# Altium PCB ESP_Main_ERC.PcbDoc
Units mm, origin at the board's own origin, x right, y up, seen from the top; angles counter-clockwise.
Board outline 129 x 93 mm, 2 copper layers (Top Layer, Bottom Layer); 70 components, 81 nets, 264 pads, 32 vias.
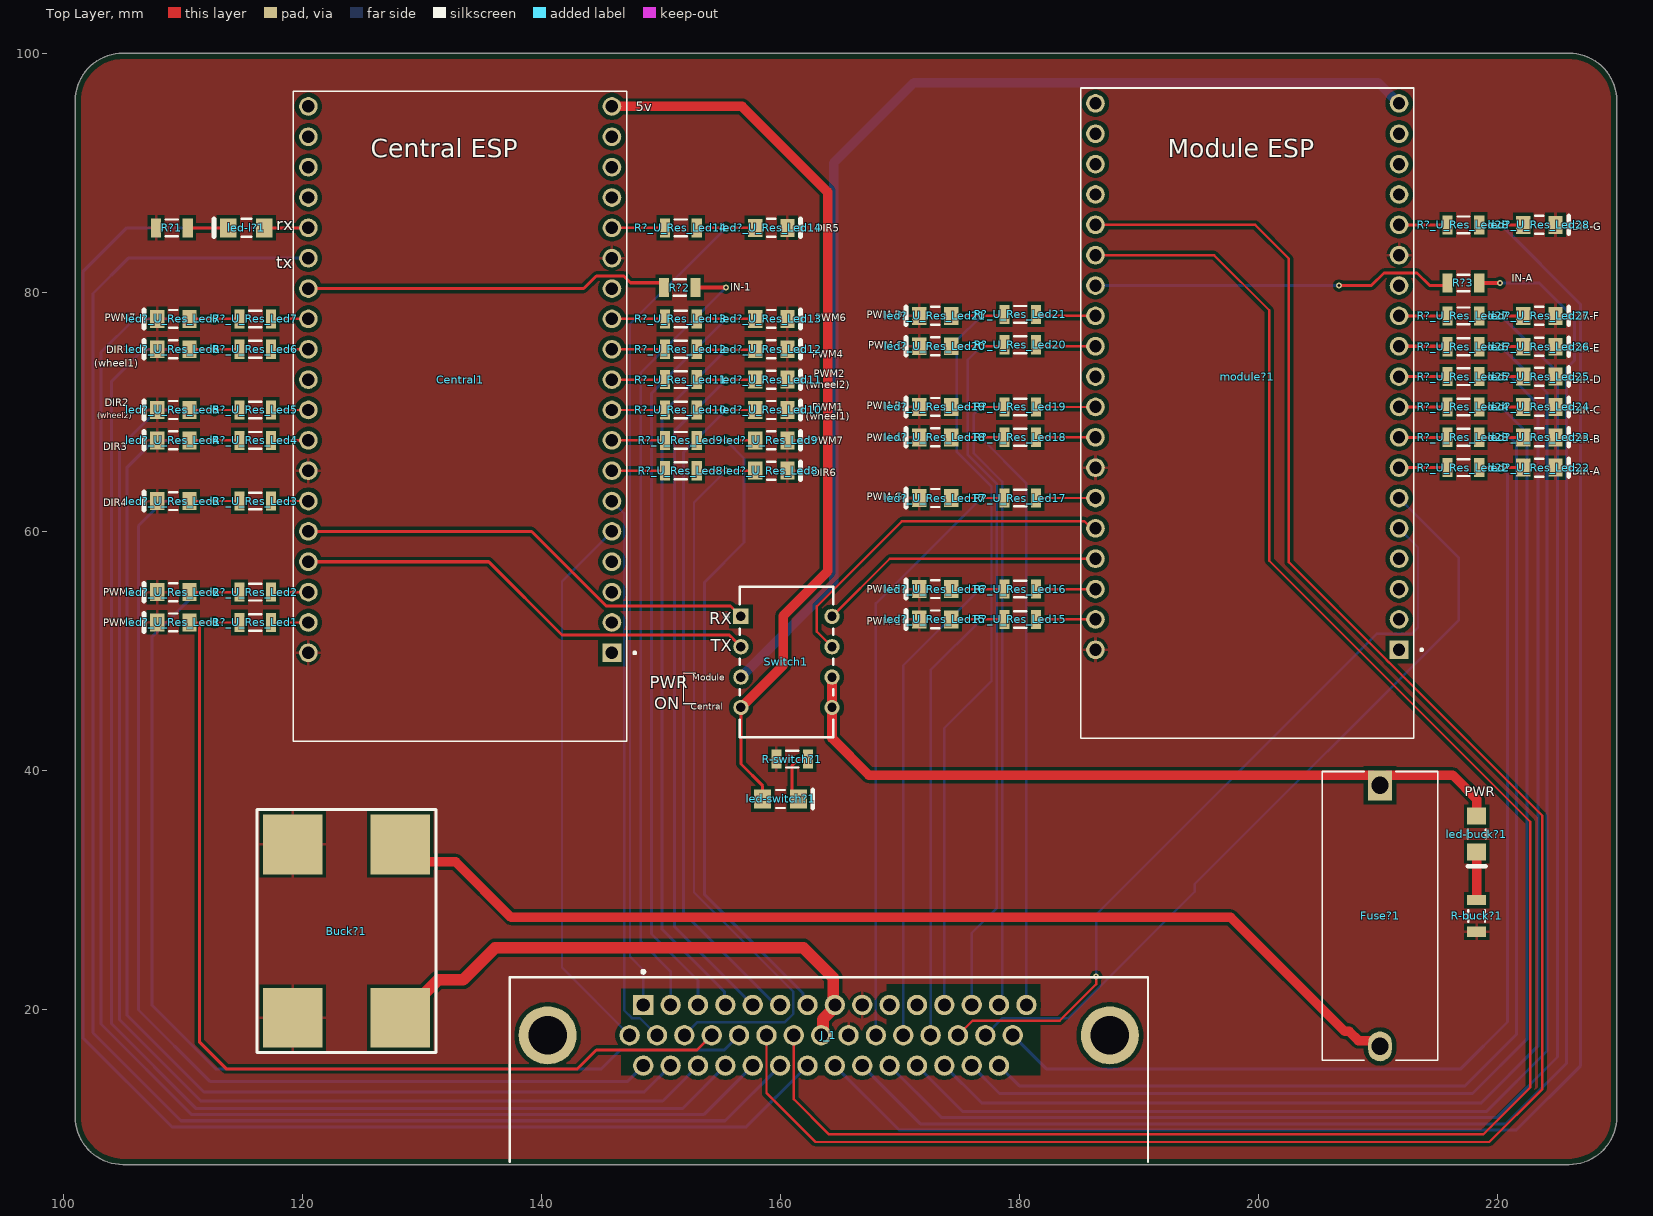
[diagram p0: Top Layer view]
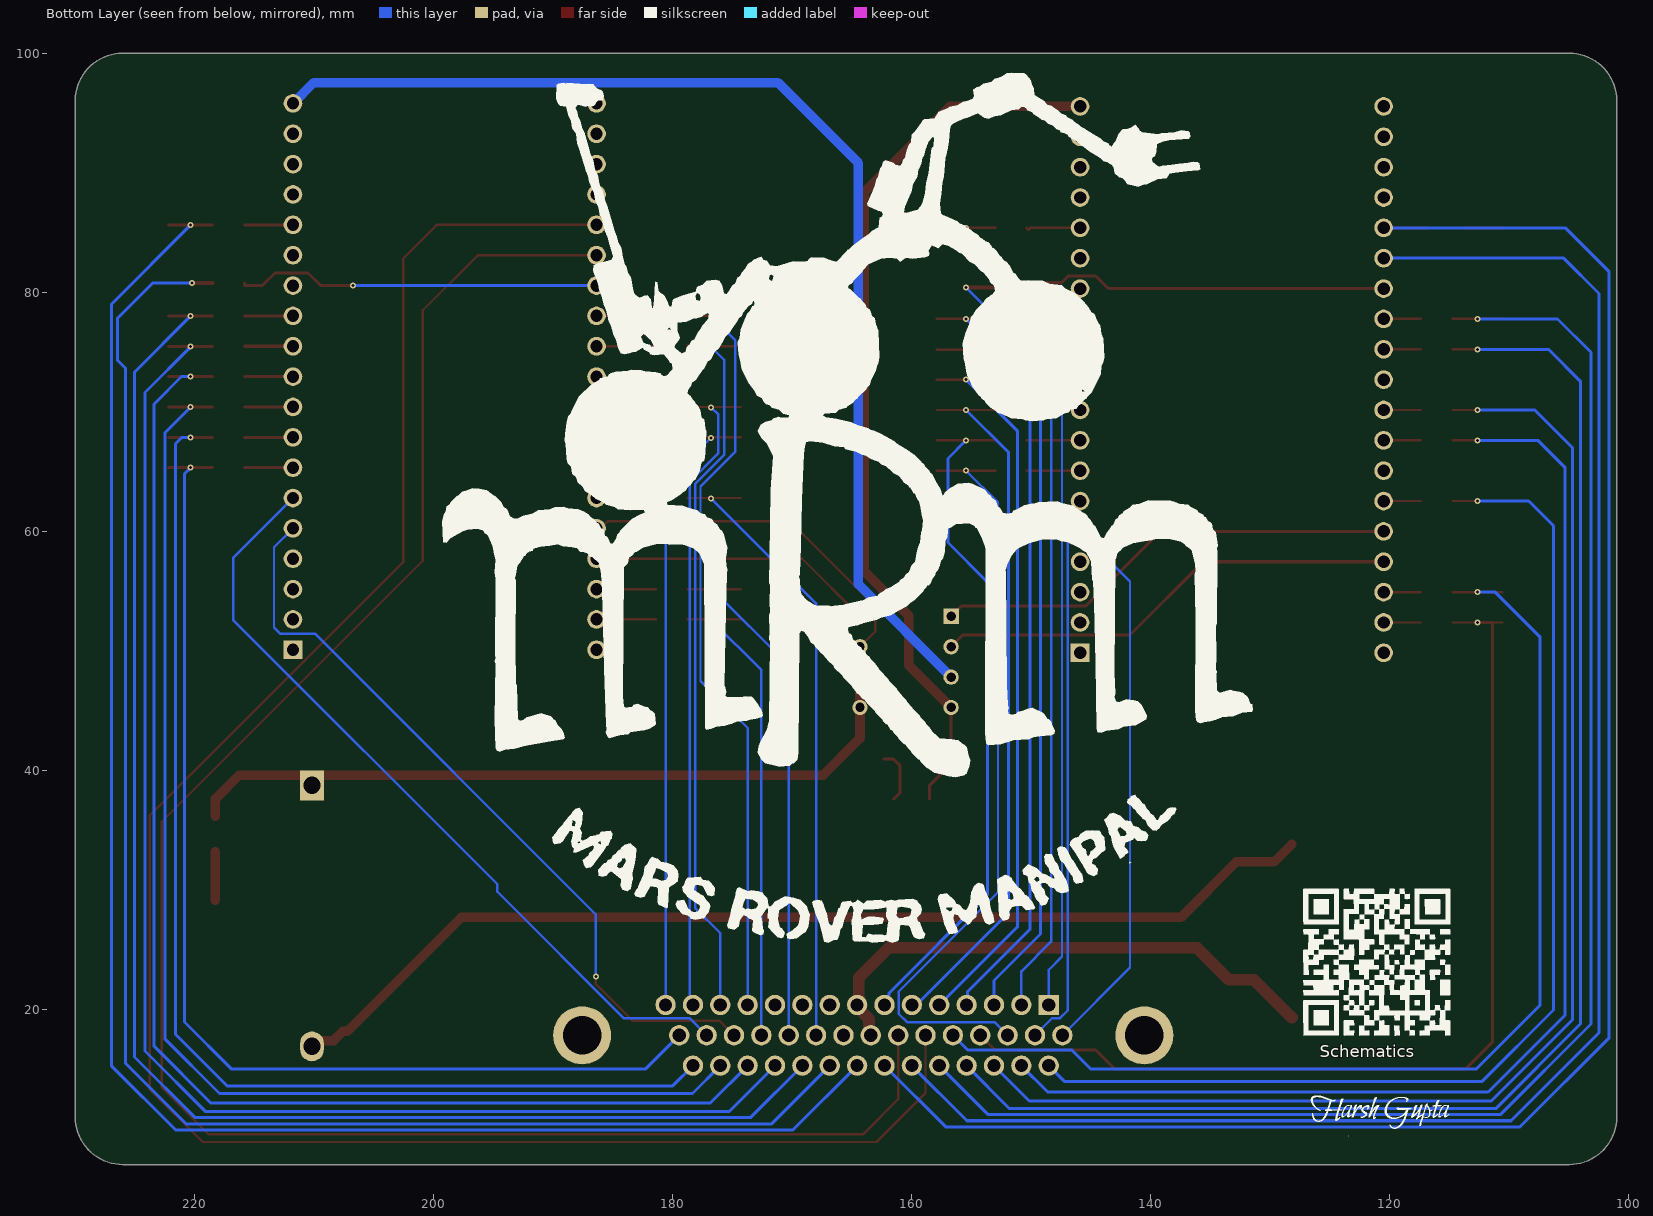
[diagram p1: Bottom Layer view, seen from below]

## Layer stack, top to bottom
Top Solder: solder mask 0.0102, Solder Resist, Dk 3.5
Top Layer: signal copper 0.0356
Dielectric 1: dielectric 0.32, FR-4, Dk 4.8
Bottom Layer: signal copper 0.0356
Bottom Solder: solder mask 0.0102, Solder Resist, Dk 3.5

## Board outline
101,11 ccw(c105,11) 105,7 226,7 ccw(c226,11) 230,11 230,96 ccw(c226,96) 226,100 105,100 ccw(c105,96) 101,96

## Design rules (kind name [scope] priority, off if disabled: settings)
Clearance [All] p1: gap=0.254 ignorepadtopadclearanceinfootprint=FALSE except(0.15: Arc-THPad Track-THPad; 0.35: THPad-Fill THPad-Poly THPad-Region)
PolygonConnect [All] p1: connectstyle=Relief reliefconductorwidth=0.254 reliefentries=4 polygonreliefangle="90 Angle" airgapwidth=0.254
RoutingVias [All] p1: holewidth=0.25 width=0.5 viastyle="Through Hole" minholewidth=0.05 minwidth=0.1 maxholewidth=1 maxwidth=2
SolderMaskExpansion [All] p1: expansion=0.102 istentingtop=FALSE
SupplyNets "Schematic Supply Nets" [InNet('GND')] p1: voltage=0.000
Width [All] p1: maxlimit=1 minlimit=0.1 preferedwidth=0.2
30 further rules are at their usual default settings.

## Classes and differential pairs
channel class Res_Led: U_Res_Led1 U_Res_Led2 U_Res_Led3 U_Res_Led4 U_Res_Led5 U_Res_Led6 U_Res_Led7 U_Res_Led8 U_Res_Led9 U_Res_Led10 U_Res_Led11 U_Res_Led12 U_Res_Led13 U_Res_Led14 U_Res_Led15 U_Res_Led16 U_Res_Led17 U_Res_Led18 U_Res_Led19 U_Res_Led20 U_Res_Led21 U_Res_Led22 U_Res_Led23 U_Res_Led24 U_Res_Led25 U_Res_Led26 U_Res_Led27 U_Res_Led28
component class U_Res_Led28: led?_U_Res_Led15 R?_U_Res_Led27
component class U_Res_Led27: led?_U_Res_Led16 R?_U_Res_Led24
component class U_Res_Led26: led?_U_Res_Led20 R?_U_Res_Led14
component class U_Res_Led25: led?_U_Res_Led5 R?_U_Res_Led17
component class U_Res_Led24: led?_U_Res_Led28 R?_U_Res_Led28
component class U_Res_Led23: led?_U_Res_Led25 R?_U_Res_Led25
component class U_Res_Led22: led?_U_Res_Led22 R?_U_Res_Led22
component class U_Res_Led21: led?_U_Res_Led21 R?_U_Res_Led21
component class U_Res_Led20: led?_U_Res_Led13 R?_U_Res_Led13
component class U_Res_Led19: led?_U_Res_Led16 R?_U_Res_Led9
component class U_Res_Led18: led?_U_Res_Led25 R?_U_Res_Led10
component class U_Res_Led17: led?_U_Res_Led18 R?_U_Res_Led1
component class U_Res_Led16: led?_U_Res_Led19 R?_U_Res_Led19
component class U_Res_Led15: led?_U_Res_Led28 R?_U_Res_Led24
component class U_Res_Led14: led?_U_Res_Led5 R?_U_Res_Led13
component class U_Res_Led13: led?_U_Res_Led10 R?_U_Res_Led10
component class U_Res_Led12: led?_U_Res_Led28 R?_U_Res_Led28
component class U_Res_Led11: led?_U_Res_Led19 R?_U_Res_Led19
component class U_Res_Led10: led?_U_Res_Led20 R?_U_Res_Led14
component class U_Res_Led9: led?_U_Res_Led28 R?_U_Res_Led16
component class U_Res_Led8: led?_U_Res_Led22 R?_U_Res_Led22
component class U_Res_Led7: led?_U_Res_Led21 R?_U_Res_Led21
component class U_Res_Led6: led?_U_Res_Led15 R?_U_Res_Led27
component class U_Res_Led5: led?_U_Res_Led18 R?_U_Res_Led13
component class U_Res_Led4: led?_U_Res_Led16 R?_U_Res_Led24
component class U_Res_Led3: led?_U_Res_Led16 R?_U_Res_Led9
component class U_Res_Led2: led?_U_Res_Led20 R?_U_Res_Led14
component class U_Res_Led1: led?_U_Res_Led25 R?_U_Res_Led25
component class ESP_Main: Buck?1 Central?1 Fuse?1 J_1 led-buck?1 led-l?1 led-switch?1 module?1 R-buck?1 R-switch?1 R?3 Switch1

## Components (designator, comment, footprint, x,y, rotation, side; value= is the part's Value field where it differs from the comment)
Buck?1 "Microbuck" "Micro buck" 123.698,26.543 r180 top (schematic designator Buck?)
Central1 "ESP32-DEVKITC-32D" MODULE_ESP32-DEVKITC-32D 133.215,69.584 r180 top (schematic designator Central?)
Fuse?1 "4527" FUSE_4527 210.185,27.813 r270 top (schematic designator Fuse?)
J_1 "L717HDB44PD1CH4F" FP-L717HDB44PD1CH4F-MFG 164.058,11.44 r0 top (schematic designator J_)
led-buck?1 "597-3311-407F" DIAL-597-3311-407F_V 218.273,34.663 r270 top (schematic designator led-buck?)
led-l?1 "PG1102W-TR" STEC-1102W_V 115.316,85.384 r180 top (schematic designator led-l?)
led-switch?1 "597-3311-407F" DIAL-597-3311-407F_V 160.02,37.592 r0 top (schematic designator led-switch?)
led?_U_Res_Led1 "SML-LX1206YC-TR" LUMX-SML-LX1206YC-TR_V 109.212,52.364 r180 top (schematic designator led?)
led?_U_Res_Led2 "SML-LX1206YC-TR" LUMX-SML-LX1206YC-TR_V 109.212,54.904 r180 top (schematic designator led?)
led?_U_Res_Led3 "SML-LX1206YC-TR" LUMX-SML-LX1206YC-TR_V 109.212,62.524 r180 top (schematic designator led?)
led?_U_Res_Led4 "SML-LX1206YC-TR" LUMX-SML-LX1206YC-TR_V 109.212,67.604 r180 top (schematic designator led?)
led?_U_Res_Led5 "SML-LX1206YC-TR" LUMX-SML-LX1206YC-TR_V 109.212,70.144 r180 top (schematic designator led?)
led?_U_Res_Led6 "SML-LX1206YC-TR" LUMX-SML-LX1206YC-TR_V 109.212,75.224 r180 top (schematic designator led?)
led?_U_Res_Led7 "SML-LX1206YC-TR" LUMX-SML-LX1206YC-TR_V 109.212,77.764 r180 top (schematic designator led?)
led?_U_Res_Led8 "SML-LX1206YC-TR" LUMX-SML-LX1206YC-TR_V 159.25,65.064 r0 top (schematic designator led?)
led?_U_Res_Led9 "SML-LX1206YC-TR" LUMX-SML-LX1206YC-TR_V 159.25,67.604 r0 top (schematic designator led?)
led?_U_Res_Led10 "SML-LX1206YC-TR" LUMX-SML-LX1206YC-TR_V 159.25,70.144 r0 top (schematic designator led?)
led?_U_Res_Led11 "SML-LX1206YC-TR" LUMX-SML-LX1206YC-TR_V 159.25,72.684 r0 top (schematic designator led?)
led?_U_Res_Led12 "SML-LX1206YC-TR" LUMX-SML-LX1206YC-TR_V 159.25,75.224 r0 top (schematic designator led?)
led?_U_Res_Led13 "SML-LX1206YC-TR" LUMX-SML-LX1206YC-TR_V 159.25,77.764 r0 top (schematic designator led?)
led?_U_Res_Led14 "SML-LX1206YC-TR" LUMX-SML-LX1206YC-TR_V 159.25,85.384 r0 top (schematic designator led?)
led?_U_Res_Led15 "SML-LX1206YC-TR" LUMX-SML-LX1206YC-TR_V 172.966,52.618 r180 top (schematic designator led?)
led?_U_Res_Led16 "SML-LX1206YC-TR" LUMX-SML-LX1206YC-TR_V 172.966,55.158 r180 top (schematic designator led?)
led?_U_Res_Led17 "SML-LX1206YC-TR" LUMX-SML-LX1206YC-TR_V 172.966,62.778 r180 top (schematic designator led?)
led?_U_Res_Led18 "SML-LX1206YC-TR" LUMX-SML-LX1206YC-TR_V 172.966,67.858 r180 top (schematic designator led?)
led?_U_Res_Led19 "SML-LX1206YC-TR" LUMX-SML-LX1206YC-TR_V 172.966,70.398 r180 top (schematic designator led?)
led?_U_Res_Led20 "SML-LX1206YC-TR" LUMX-SML-LX1206YC-TR_V 172.966,75.478 r180 top (schematic designator led?)
led?_U_Res_Led21 "SML-LX1206YC-TR" LUMX-SML-LX1206YC-TR_V 172.966,78.018 r180 top (schematic designator led?)
led?_U_Res_Led22 "SML-LX1206YC-TR" LUMX-SML-LX1206YC-TR_V 223.52,65.318 r0 top (schematic designator led?)
led?_U_Res_Led23 "SML-LX1206YC-TR" LUMX-SML-LX1206YC-TR_V 223.52,67.858 r0 top (schematic designator led?)
led?_U_Res_Led24 "SML-LX1206YC-TR" LUMX-SML-LX1206YC-TR_V 223.52,70.398 r0 top (schematic designator led?)
led?_U_Res_Led25 "SML-LX1206YC-TR" LUMX-SML-LX1206YC-TR_V 223.52,72.938 r0 top (schematic designator led?)
led?_U_Res_Led26 "SML-LX1206YC-TR" LUMX-SML-LX1206YC-TR_V 223.52,75.438 r0 top (schematic designator led?)
led?_U_Res_Led27 "SML-LX1206YC-TR" LUMX-SML-LX1206YC-TR_V 223.52,78.018 r0 top (schematic designator led?)
led?_U_Res_Led28 "SML-LX1206YC-TR" LUMX-SML-LX1206YC-TR_V 223.52,85.638 r0 top (schematic designator led?)
module?1 "ESP32-DEVKITC-32D" MODULE_ESP32-DEVKITC-32D 199.077,69.838 r180 top (schematic designator module?)
R-buck?1 "RC1206FR-07120RL" RESC3116X65X40LL10T20 218.273,27.805 r270 top (schematic designator R-buck?)
R-switch?1 "RC1206FR-07120RL" RESC3116X65X40LL10T20 161,40.93 r0 top (schematic designator R-switch?)
R?1 "RC1206FR-07120RL" RESC3116X65X40LL10T20 109.093,85.384 r0 top (schematic designator R?)
R?2 "RC1206FR-07120RL" RESC3116X65X40LL10T20 151.583,80.391 r0 top (schematic designator R?)
R?3 "RC1206FR-07120RL" RESC3116X65X40LL10T20 217.17,80.772 r0 top (schematic designator R?)
R?_U_Res_Led1 "RC1206FR-07120RL" RESC3116X65X40LL10T20 116.07,52.364 r180 top (schematic designator R?)
R?_U_Res_Led2 "RC1206FR-07120RL" RESC3116X65X40LL10T20 116.07,54.904 r180 top (schematic designator R?)
R?_U_Res_Led3 "RC1206FR-07120RL" RESC3116X65X40LL10T20 116.07,62.524 r180 top (schematic designator R?)
R?_U_Res_Led4 "RC1206FR-07120RL" RESC3116X65X40LL10T20 116.07,67.604 r180 top (schematic designator R?)
R?_U_Res_Led5 "RC1206FR-07120RL" RESC3116X65X40LL10T20 116.07,70.144 r180 top (schematic designator R?)
R?_U_Res_Led6 "RC1206FR-07120RL" RESC3116X65X40LL10T20 116.07,75.224 r180 top (schematic designator R?)
R?_U_Res_Led7 "RC1206FR-07120RL" RESC3116X65X40LL10T20 116.07,77.764 r180 top (schematic designator R?)
R?_U_Res_Led8 "RC1206FR-07120RL" RESC3116X65X40LL10T20 151.685,65.064 r0 top (schematic designator R?)
R?_U_Res_Led9 "RC1206FR-07120RL" RESC3116X65X40LL10T20 151.685,67.604 r0 top (schematic designator R?)
R?_U_Res_Led10 "RC1206FR-07120RL" RESC3116X65X40LL10T20 151.685,70.144 r0 top (schematic designator R?)
R?_U_Res_Led11 "RC1206FR-07120RL" RESC3116X65X40LL10T20 151.685,72.684 r0 top (schematic designator R?)
R?_U_Res_Led12 "RC1206FR-07120RL" RESC3116X65X40LL10T20 151.685,75.224 r0 top (schematic designator R?)
R?_U_Res_Led13 "RC1206FR-07120RL" RESC3116X65X40LL10T20 151.685,77.764 r0 top (schematic designator R?)
R?_U_Res_Led14 "RC1206FR-07120RL" RESC3116X65X40LL10T20 151.685,85.384 r0 top (schematic designator R?)
R?_U_Res_Led15 "RC1206FR-07120RL" RESC3116X65X40LL10T20 180.078,52.618 r180 top (schematic designator R?)
R?_U_Res_Led16 "RC1206FR-07120RL" RESC3116X65X40LL10T20 180.078,55.158 r180 top (schematic designator R?)
R?_U_Res_Led17 "RC1206FR-07120RL" RESC3116X65X40LL10T20 180.078,62.778 r180 top (schematic designator R?)
R?_U_Res_Led18 "RC1206FR-07120RL" RESC3116X65X40LL10T20 180.078,67.858 r180 top (schematic designator R?)
R?_U_Res_Led19 "RC1206FR-07120RL" RESC3116X65X40LL10T20 180.078,70.398 r180 top (schematic designator R?)
R?_U_Res_Led20 "RC1206FR-07120RL" RESC3116X65X40LL10T20 180.078,75.605 r180 top (schematic designator R?)
R?_U_Res_Led21 "RC1206FR-07120RL" RESC3116X65X40LL10T20 180.078,78.145 r180 top (schematic designator R?)
R?_U_Res_Led22 "RC1206FR-07120RL" RESC3116X65X40LL10T20 217.17,65.318 r0 top (schematic designator R?)
R?_U_Res_Led23 "RC1206FR-07120RL" RESC3116X65X40LL10T20 217.17,67.858 r0 top (schematic designator R?)
R?_U_Res_Led24 "RC1206FR-07120RL" RESC3116X65X40LL10T20 217.17,70.398 r0 top (schematic designator R?)
R?_U_Res_Led25 "RC1206FR-07120RL" RESC3116X65X40LL10T20 217.17,72.938 r0 top (schematic designator R?)
R?_U_Res_Led26 "RC1206FR-07120RL" RESC3116X65X40LL10T20 217.17,75.438 r0 top (schematic designator R?)
R?_U_Res_Led27 "RC1206FR-07120RL" RESC3116X65X40LL10T20 217.17,78.018 r0 top (schematic designator R?)
R?_U_Res_Led28 "RC1206FR-07120RL" RESC3116X65X40LL10T20 217.17,85.638 r0 top (schematic designator R?)
Switch1 "1825360-3" FP-1825360-3-MFG 160.52,49.062 r270 top (schematic designator Switch)

## Footprints (in the part's own frame and the unit in brackets; to place one, negate y for a bottom-side part, rotate by r counter-clockwise, add the part's x,y. Pads: shape width x height; smd on the part's side, far side on the other; paste and mask are expansions set on the pad)
DIAL-597-3311-407F_V [mm] "SMD, 2-Leads, Body 1.5x3mm"
  rect 1.42x1.6 smd: 1(-1.49,0) 2(1.49,0)
  silkscreen extent -0.38,-0.75 2.7,0.75, body extent -1.5,-0.75 1.5,0.75, height 1.5
FP-1825360-3-MFG [mm]
  rect 1.29x1.29 hole 0.79 paste-2539.97 mask+0: 1(-3.81,-3.81)
  round 1.29 hole 0.79 paste-2539.97 mask+0: 2(-1.27,-3.81) 3(1.27,-3.81) 4(3.81,-3.81) 5(3.81,3.81) 6(1.27,3.81) 7(-1.27,3.81) 8(-3.81,3.81)
  silkscreen extent -6.29,-5.16 6.29,3.9, body extent -6.4,-4.55 6.4,4.55, height 0.25
FP-L717HDB44PD1CH4F-MFG [mm]
  rect 1.7x1.7 hole 1.1 paste-2539.97 mask+0: 1(-15.52,8.92)
  round 1.7 hole 1.1 paste-2539.97 mask+0: 2(-13.23,8.92) 3(-10.94,8.92) 4(-8.65,8.92) 5(-6.36,8.92) 6(-4.07,8.92) 7(-1.78,8.92) 8(0.51,8.92) 9(2.8,8.92) 10(5.09,8.92) 11(7.38,8.92) 12(9.67,8.92) 13(11.96,8.92) 14(14.25,8.92) 15(16.54,8.92) 16(-16.665,6.38) 17(-14.375,6.38) 18(-12.085,6.38) 19(-9.795,6.38) 20(-7.505,6.38) 21(-5.215,6.38) 22(-2.925,6.38) 23(-0.635,6.38) 24(1.655,6.38) 25(3.945,6.38) 26(6.235,6.38) 27(8.525,6.38) 28(10.815,6.38) 29(13.105,6.38) 30(15.395,6.38) 31(-15.52,3.84) 32(-13.23,3.84) 33(-10.94,3.84) 34(-8.65,3.84) 35(-6.36,3.84) 36(-4.07,3.84) 37(-1.78,3.84) 38(0.51,3.84) 39(2.8,3.84) 40(5.09,3.84) 41(7.38,3.84) 42(9.67,3.84) 43(11.96,3.84) 44(14.25,3.84)
  round 4.85 hole 3.2 paste-2539.97 mask+0: 45(-23.52,6.38) 46(23.52,6.38)
  silkscreen extent -26.71,-4.2 26.71,11.82, body extent -26.81,-11.34 26.81,11.34, height 0.25
FUSE_4527 [mm]
  rect 2.5x1.98 hole 1.45: 1(-10.92,0)
  oval 2.5x1.98 hole 1.45: 2(10.92,0)
  silkscreen extent -12.08,-4.85 12.08,4.85
LUMX-SML-LX1206YC-TR_V [mm] "SMD, 2-Leads, Body 3.2x1.5mm"
  rect 1.2x1.5 smd: 1(-1.35,0) 2(1.35,0)
  silkscreen extent -0.35,-0.75 2.45,0.75, body extent -1.6,-0.75 1.6,0.75, height 1.25
"Micro buck" [mm]
  rect 5x5 smd: 1(-4.5,7.25) 2(4.5,7.25) 3(-4.5,-7.25) 4(4.5,-7.25)
  silkscreen extent -7.5,-10.16 7.5,10.16
MODULE_ESP32-DEVKITC-32D [mm]
  rect 1.56x1.56 / inner round 1.56 / far side rect 1.56x1.56 hole 1.04: J2-1(-12.7,19.76)
  round 1.56 hole 1.04: J2-2(-12.7,17.22) J2-3(-12.7,14.68) J2-4(-12.7,12.14) J2-5(-12.7,9.6) J2-6(-12.7,7.06) J2-7(-12.7,4.52) J2-8(-12.7,1.98) J2-9(-12.7,-0.56) J2-10(-12.7,-3.1) J2-11(-12.7,-5.64) J2-12(-12.7,-8.18) J2-13(-12.7,-10.72) J2-14(-12.7,-13.26) J2-15(-12.7,-15.8) J2-16(-12.7,-18.34) J2-17(-12.7,-20.88) J2-18(-12.7,-23.42) J2-19(-12.7,-25.96) J3-1(12.7,19.76) J3-2(12.7,17.22) J3-3(12.7,14.68) J3-4(12.7,12.14) J3-5(12.7,9.6) J3-6(12.7,7.06) J3-7(12.7,4.52) J3-8(12.7,1.98) J3-9(12.7,-0.56) J3-10(12.7,-3.1) J3-11(12.7,-5.64) J3-12(12.7,-8.18) J3-13(12.7,-10.72) J3-14(12.7,-13.26) J3-15(12.7,-15.8) J3-16(12.7,-18.34) J3-17(12.7,-20.88) J3-18(12.7,-23.42) J3-19(12.7,-25.96)
  silkscreen extent -14.7,-27.25 13.95,27.15, body extent -13.97,-27.9 13.97,27.2, height 6.69
RESC3116X65X40LL10T20 [mm] "Chip Resistor, 2-Leads, Body 3.10x1.60mm, IPC High Density"
  rect 0.85x1.6 smd: 1(-1.325,0) 2(1.325,0)
  silkscreen extent -0.5,-0.7 0.5,0.7, body extent -1.6,-0.85 1.6,0.85, height 0.65
STEC-1102W_V [mm] "SMD, 2-Leads, Body 3x1.5mm"
  rect 1.4x1.6 smd: 1(-1.5,0) 2(1.5,0)
  silkscreen extent -0.4,-0.75 2.7,0.75, body extent -1.5,-0.75 1.5,0.75, height 1.78

## Part data
Buck?1: library part microbuck
Central1 module?1: "WiFi Development Tools (802.11) ESP32 General Development Kit, ESP32-WROOM-32D on the board", Package=None, Check_prices=https://www.snapeda.com/parts/ESP32-DEVKITC-32D/Espressif+Systems/view-part/?ref=eda, MF="Espressif Systems", MP=ESP32-DEVKITC-32D, SnapEDA_Link=https://www.snapeda.com/parts/ESP32-DEVKITC-32D/Espressif+Systems/view-part/?ref=snap
Fuse?1: "Fuseholder; 5 A; 250 V; Nylon; Base only; Brass, Tin Plate (Contact)", Package=None, Availability=Unavailable, MP=4527, Price=None
J_1: library part CMP-02362-000001-1, "CONN DSUB HD PLUG 44POS R/A SLDR", Current Rating=3A, Max Operating Temperature=105°C, Min Operating Temperature=-55°C, Package Quantity=50, Voltage Rating=250V, Body Material=Steel, Connector Type=D-Sub, Contact Material=Brass, Contact Plating=Gold, Depth=22.22mm, Gender=Male, Housing Material=Thermoplastic, Length=53.09mm, Mount="Through Hole", Number of Contacts=44, Number of Ports=1, Number of Positions=44, Number of Rows=3, Number of Terminals=44, Orientation="Right Angle", Packaging=Tray, Termination=Solder, Width=12.55mm
led-buck?1 led-switch?1: library part CMP-2000-05651-1, "LED Green, 75 mW, 30 mA, -30 to 85 degC, 2-Pin SMD, RoHS, Tape and Reel", Emitting Color=YellowGreen, Forward Current=30mA, Forward Voltage=2.5V, Manufacturer=Dialight, Operating Temp Range=-30Cto85C, Operating Temperature Classification=Commercial, Package Description="2-Pin Surface Mount Device, Body 1.5 x 3 mm", Package Type=SMD, Power Dissipation=75W, Reverse Voltage=4V, Test Current (It)=20mA, Chip Material=GaP, Datasheet URL=https://datasheet.ciiva.com/15117/getdatasheetpartid-142484-15117764.pdf, Datasheet Version=07/2002, DELETED=Compliant, High Brightness=No, Lens Dimensions=2x1.5x0.9mm, Lens Type=NonDiffused, Lum Intensity=7.5mcd, Luminous Intensity=7.5mcd, Main Category=ChipLED, Manufacturer URL=http://www.dialight.com/, Mounting=SurfaceMount, Mounting Technology=SurfaceMount, Number of  Elements=1, Package Reference=597-3311-407F, Packaging=TapeandReel, Peak Wavelength=560nm, Pin Count=2, Product Depth (mm)=1.5mm, Product Height (mm)=1.5mm, Product Length (mm)=3mm, Rad Hardened=No, Shape Type=Rectangular, Type=Uni-Color, Viewing Angle=70deg
led-l?1: library part CMP-2000-06890-1, "Green LED, 567 nm, 2.1 V, 30 mA, -30 to 85 degC, 2-Pin SMD, RoHS, Tape and Reel", Emitting Color=YellowGreen, Forward Current=30mA, Forward Voltage=2.5V, Manufacturer="Stanley Electric", Operating Temp Range=-30Cto85C, Operating Temperature Classification=Commercial, Package Description="2-Pin Surface Mounted Device , Body 3 x 1.5 mm", Package Reference=1102W, Package Type=SMD, Power Dissipation=75W, Reverse Voltage=4V, Test Current (It)=20mA, Chip Material=GaP, Datasheet URL=http://media.digikey.com/pdf/Data%20Sheets/Stanley%20Electric%20PDFs/1102W_Series.pdf, Datasheet Version=08/2007, DELETED=Compliant, Dominant Wave Length=567nm, High Brightness=No, Lens Dimensions=2x1.5x0.9mm, Lum Intensity=12mcd, Luminous Intensity=12mcd, Main Category=ChipLED, Manufacturer URL=http://www.stanley-electric.com/, Mounting=SurfaceMount, Mounting Technology=SurfaceMount, Number of  Elements=1, Packaging=TapeandReel, Peak Wavelength=560nm, Pin Count=2, Product Depth (mm)=1.5mm, Product Height (mm)=1.5mm, Product Length (mm)=3mm, Rad Hardened=No, Shape Type=Rectangular, Type=Uni-Color, Viewing Angle=69/85deg
led?_U_Res_Led1 led?_U_Res_Led2 led?_U_Res_Led3 led?_U_Res_Led4 led?_U_Res_Led5 led?_U_Res_Led6 led?_U_Res_Led7 led?_U_Res_Led8 led?_U_Res_Led9 led?_U_Res_Led10 led?_U_Res_Led11 led?_U_Res_Led12 led?_U_Res_Led13 led?_U_Res_Led14 led?_U_Res_Led15 led?_U_Res_Led16 led?_U_Res_Led17 led?_U_Res_Led18 led?_U_Res_Led19 led?_U_Res_Led20 led?_U_Res_Led21 led?_U_Res_Led22 led?_U_Res_Led23 led?_U_Res_Led24 led?_U_Res_Led25 led?_U_Res_Led26 led?_U_Res_Led27 led?_U_Res_Led28: library part CMP-2000-07124-1, "Yellow LED, Water Clear Len, 585 nm, 2.1 V, -40 to 85 degC, 2-Pin SMD, RoHS, Tape and Reel", Color=Yellow, Current - Test=20mA, Lens Color=Colorless, Manufacturer=Lumex, Millicandela Rating=6mcd, Package / Case=1206(3216Metric), Package Description="2-Pin Surface Mount Device, Body 3.2 x 1.5 mm", Standard Package=3,000, Supplier Device Package=1206, Voltage - Forward (Vf) (Typ)=2.1V, Catalog Drawings=SML-LX1206SeriesTopSML-LX1206SeriesSideSML-LX1206SeriesBottomSML-LX1206SeriesFootprint, Category=Optoelectronics, Datasheet URL=http://www.lumex.com/content/files/ProductAttachment/SML-LX1206YC-TR.pdf, Datasheet Version="Rev. K, 08/2012", Family=LEDIndication-Discrete, Features=-, Height (Max)=1.10mm, Lens Style/Size=RectanglewithFlatTop, Lens Transparency=Clear, Manufacturer URL=http://www.lumexinstruments.com/, Mounting Technology=SurfaceMount, Mounting Type=SurfaceMount, Online Catalog=SML-LX1206RectanglewithFlatTop1206PackageLEDs, Other Names=67-1358-2LU60357TRSMLLX1206YCTR, Package Reference=SML-LX1206YC-TR, Packaging=Tape&Reel(TR), Product Training Modules=LEDsBenefitsofCustomLEDandLCDTechnology, RoHS Information=RoHSCertofCompliance, Series=-, Size / Dimension=3.20mmLx1.60mmW, Viewing Angle=160°, Wavelength - Dominant=-, Wavelength - Peak=585nm
R-buck?1 R-switch?1 R?1 R?2 R?3 R?_U_Res_Led1 R?_U_Res_Led2 R?_U_Res_Led3 R?_U_Res_Led4 R?_U_Res_Led5 R?_U_Res_Led6 R?_U_Res_Led7 R?_U_Res_Led8 R?_U_Res_Led9 R?_U_Res_Led10 R?_U_Res_Led11 R?_U_Res_Led12 R?_U_Res_Led13 R?_U_Res_Led14 R?_U_Res_Led15 R?_U_Res_Led16 R?_U_Res_Led17 R?_U_Res_Led18 R?_U_Res_Led19 R?_U_Res_Led20 R?_U_Res_Led21 R?_U_Res_Led22 R?_U_Res_Led23 R?_U_Res_Led24 R?_U_Res_Led25 R?_U_Res_Led26 R?_U_Res_Led27 R?_U_Res_Led28: library part CMP-2000-06965-1, "Chip Resistor, 120 Ohm, +/- 1%, 250 mW, -55 to 155 degC, 1206 (3216 Metric), RoHS, Tape and Reel", Manufacturer=Yageo, Package Description="2-Pin Surface Mount Device, Body 3.1 x 1.6 mm", Package Reference=1206, Power Rating=250mW, Resistance=120ohm, Resistance Tolerance=±1%, Resistor Case Style=1206[3216Metric], Resistor Element Type=ThickFilm, Temperature Coefficient=±100ppm/°C, Voltage Rating=200V, Datasheet URL=http://www.yageo.com/documents/recent/PYu-RC_Group_51_RoHS_L_7.pdf, Datasheet Version="Rev. 7, 05/2017", Manufacturer URL=http://www.yageo.com/, Mounting Technology=SurfaceMount, MSL=MSL1-Unlimited, Packaging=CutTape, Product Range=RCSeries, SVHC=ToBeAdvised
Switch1: library part CMP-03400-000022-1, "SWITCH SLIDE DIP SPST 100MA 24V", Contact Current Rating=1A, Contact Resistance=50mR, Flammability Rating="UL94 V-0", Housing Color=Black, Max Current Rating=100mA, Max Operating Temperature=85°C, Max Voltage Rating (DC)=24V, Min Operating Temperature=-30°C, Package Quantity=35, Voltage Rating (DC)=5V, Actuator Length=0.99mm, Actuator Material=Polybutylene, Actuator Type=Standard, Contact Material="Copper Alloy", Contact Plating=Gold, Contact Post Length=4mm, Depth=7.49mm, Electrical Life=1000Cycles, ELV=Compliant, Height=0.138inch, Housing Material=Polyphenylene, Lead Free="Lead Free", Length=0.476inch, Mount="Through Hole", Number of Circuits=4, Number of Positions=4, Orientation=Straight, Packaging=Rail/Tube, Pitch=0.1inch, Radiation Hardening=No, RoHS Compliant=Yes, Sealable="No (Without)", Series=ADE, Terminal Pitch=2.54mm, Termination="PC Pins", Throw Configuration=SPST, Type=Switch, Washable=Yes

## Via types
v1: diameter 0.5, hole 0.25, Top Layer to Bottom Layer, 32 vias

## Nets (pads, with @x,y where several pads share a name; then routed paths per layer and width w, separated by ;. In a path a pad name is that pad's centre, name@x,y a point inside that pad or via, vN(x,y) a via of type N, cw(c..) or ccw(c..) an arc to the next point about the centre after c; other vN are vias at no path point)
"DIR 1": J_1.30 led?_U_Res_Led22.1 R?_U_Res_Led22.2 | length 94.5
  Top Layer w0.254: R?_U_Res_Led22.2 v1(220.333,65.318) led?_U_Res_Led22.1
  Bottom Layer w0.254: J_1.30 182.259,15.014 216.944,15.014 220.853,18.923 220.853,64.798 v1(220.333,65.318)
"DIR 2": J_1.44 led?_U_Res_Led23.1 R?_U_Res_Led23.2 | length 100.4
  Top Layer w0.254: R?_U_Res_Led23.2 v1(220.333,67.858) led?_U_Res_Led23.1
  Bottom Layer w0.254: J_1.44 179.999,13.589 217.297,13.589 221.615,17.907 221.615,67.31 221.067,67.858 v1(220.333,67.858)
"DIR 3": J_1.43 led?_U_Res_Led24.1 R?_U_Res_Led24.2 | length 106.8
  Top Layer w0.254: R?_U_Res_Led24.2 v1(220.333,70.398) led?_U_Res_Led24.1
  Bottom Layer w0.254: J_1.43 178.344,12.954 217.932,12.954 222.504,17.526 222.504,68.227 v1(220.333,70.398)
"DIR 4": J_1.42 led?_U_Res_Led25.1 R?_U_Res_Led25.2 | length 114.3
  Top Layer w0.254: R?_U_Res_Led25.2 v1(220.333,72.938) led?_U_Res_Led25.1
  Bottom Layer w0.254: J_1.42 176.838,12.17 218.672,12.17 223.393,16.891 223.393,70.643 221.098,72.938 v1(220.333,72.938)
"DIR 5": J_1.41 led?_U_Res_Led26.1 R?_U_Res_Led26.2 | length 120.6
  Top Layer w0.254: R?_U_Res_Led26.2 v1(220.333,75.438) led?_U_Res_Led26.1
  Bottom Layer w0.254: J_1.41 175.288,11.43 219.075,11.43 224.155,16.51 224.155,71.616 v1(220.333,75.438)
"DIR 6": J_1.40 led?_U_Res_Led27.1 R?_U_Res_Led27.2 | length 127.4
  Top Layer w0.254: R?_U_Res_Led27.2 v1(220.333,78.018) led?_U_Res_Led27.1
  Bottom Layer w0.254: J_1.40 173.506,10.922 219.964,10.922 225.044,16.002 225.044,73.307 v1(220.333,78.018)
"DIR 7": J_1.38 led?_U_Res_Led28.1 R?_U_Res_Led28.2 | length 143.6
  Top Layer w0.254: R?_U_Res_Led28.2 v1(220.332,85.638) led?_U_Res_Led28.1
  Bottom Layer w0.254: J_1.38 169.942,9.906 221.615,9.906 226.949,15.24 226.949,79.021 v1(220.332,85.638)
"DIR 8": J_1.34 led?_U_Res_Led6.1 R?_U_Res_Led6.2 | length 123.5
  Top Layer w0.2: led?_U_Res_Led6.1 v1(112.653,75.224) R?_U_Res_Led6.2
  Bottom Layer w0.254: v1(112.653,75.224) 106.72,75.224 104.053,72.557 104.053,18.756 111.125,11.684 151.812,11.684 J_1.34
"DIR 9": J_1.33 led?_U_Res_Led5.1 R?_U_Res_Led5.2 | length 113.8
  Top Layer w0.2: led?_U_Res_Led5.1 v1(112.653,70.144) R?_U_Res_Led5.2
  Bottom Layer w0.254: v1(112.653,70.144) 107.863,70.144 104.688,66.969 104.688,19.137 111.506,12.319 150.157,12.319 J_1.33
"DIR 10": J_1.32 led?_U_Res_Led4.1 R?_U_Res_Led4.2 | length 107.3
  Top Layer w0.2: led?_U_Res_Led4.1 v1(112.653,67.604) R?_U_Res_Led4.2
  Bottom Layer w0.254: v1(112.653,67.604) 107.609,67.604 105.323,65.318 105.323,19.518 111.76,13.081 142.621,13.081 148.629,13.081 J_1.32
"DIR 11": J_1.31 led?_U_Res_Led3.1 R?_U_Res_Led3.2 | length 97.2
  Top Layer w0.2: led?_U_Res_Led3.1 v1(112.653,62.524) R?_U_Res_Led3.2
  Bottom Layer w0.254: v1(112.653,62.524) 108.371,62.524 106.299,60.452 106.299,19.939 112.268,13.97 147.228,13.97 J_1.31
"DIR 12": J_1.1 led?_U_Res_Led14.1 R?_U_Res_Led14.2 | length 73.7
  Top Layer w0.2: R?_U_Res_Led14.2 v1(155.455,85.384) led?_U_Res_Led14.1
  Bottom Layer w0.2: J_1.1 148.538,23.293 147.427,24.404 147.427,77.356 v1(155.455,85.384)
"DIR 13": J_1.18 led?_U_Res_Led8.1 R?_U_Res_Led8.2 | length 64.7
  Top Layer w0.2: R?_U_Res_Led8.2 v1(155.455,65.064) led?_U_Res_Led8.1
  Bottom Layer w0.2: J_1.18 153.073,18.92 160.398,18.92 161.088,19.61 161.088,21.486 152.781,29.793 152.781,62.39 v1(155.455,65.064)
GND: Buck?1.2 Buck?1.4 Central1.J2-14 Central1.J3-1 Central1.J3-7 J_1.9 J_1.24 led?_U_Res_Led1.2 led?_U_Res_Led2.2 led?_U_Res_Led3.2 led?_U_Res_Led4.2 led?_U_Res_Led5.2 led?_U_Res_Led6.2 led?_U_Res_Led7.2 led?_U_Res_Led8.2 led?_U_Res_Led9.2 led?_U_Res_Led10.2 led?_U_Res_Led11.2 led?_U_Res_Led12.2 led?_U_Res_Led13.2 led?_U_Res_Led14.2 led?_U_Res_Led15.2 led?_U_Res_Led16.2 led?_U_Res_Led17.2 led?_U_Res_Led18.2 led?_U_Res_Led19.2 led?_U_Res_Led20.2 led?_U_Res_Led21.2 led?_U_Res_Led22.2 led?_U_Res_Led23.2 led?_U_Res_Led24.2 led?_U_Res_Led25.2 led?_U_Res_Led26.2 led?_U_Res_Led27.2 led?_U_Res_Led28.2 module?1.J2-14 module?1.J3-1 module?1.J3-7 R-buck?1.2 R-switch?1.1 R?1.1
NetBuck?_1: Buck?1.1 J_1.8 J_1.23 | length 45
  Top Layer w1: Buck?1.1 131.373,22.468 133.466,22.468 136.144,25.146 161.925,25.146 164.434,22.637 164.434,20.494 J_1.8 164.568,20.171 163.557,19.16 163.557,17.954 J_1.23
NetBuck?_3: Buck?1.3 Fuse?1.2 | length 89
  Top Layer w0.8: Buck?1.3 129.651,32.34 132.826,32.34 137.48,27.686 197.693,27.686 207.224,18.155 207.595,18.155 208.371,17.379 209.699,17.379 Fuse?1.2
NetCentral?_J2-5: Central1.J2-5 J_1.16 | length 46.2
  Bottom Layer w0.2: Central1.J2-5 141.732,55.801 141.732,23.481 J_1.16
NetCentral?_J2-6: Central1.J2-6 J_1.17 | length 46.7
  Bottom Layer w0.2: Central1.J2-6 146.945,61.494 146.945,19.899 147.584,19.26 148.243,19.26 J_1.17
NetCentral?_J2-7: Central1.J2-7 R?_U_Res_Led8.1 | length 4.4
  Top Layer w0.2: Central1.J2-7 R?_U_Res_Led8.1
NetCentral?_J2-8: Central1.J2-8 R?_U_Res_Led9.1 | length 4.4
  Top Layer w0.2: Central1.J2-8 R?_U_Res_Led9.1
NetCentral?_J2-9: Central1.J2-9 R?_U_Res_Led10.1 | length 4.4
  Top Layer w0.2: Central1.J2-9 R?_U_Res_Led10.1
NetCentral?_J2-10: Central1.J2-10 R?_U_Res_Led11.1 | length 4.4
  Top Layer w0.2: Central1.J2-10 R?_U_Res_Led11.1
NetCentral?_J2-11: Central1.J2-11 R?_U_Res_Led12.1 | length 4.5
  Top Layer w0.2: Central1.J2-11 149.947,75.224 150.114,75.057 150.186,75.129 R?_U_Res_Led12.1@150.186,75.224
NetCentral?_J2-12: Central1.J2-12 R?_U_Res_Led13.1 | length 4.4
  Top Layer w0.2: Central1.J2-12 R?_U_Res_Led13.1
NetCentral?_J2-15: Central1.J2-15 R?_U_Res_Led14.1 | length 4.6
  Top Layer w0.2: Central1.J2-15 150.074,85.384 150.241,85.217 150.36,85.336 R?_U_Res_Led14.1
NetCentral?_J2-19: Central1.J2-19 led-switch?1.1 Switch1.4 | length 75.6
  Top Layer w0.254: Switch1.4 156.71,40.518 158.53,38.698 led-switch?1.1
  Top Layer w0.8: Central1.J2-19 156.805,95.544 163.957,88.392 163.957,56.642 160.253,52.938 160.253,48.795 Switch1.4
NetCentral?_J3-2: Central1.J3-2 R?_U_Res_Led1.1 | length 3.1
  Top Layer w0.2: R?_U_Res_Led1.1 Central1.J3-2
NetCentral?_J3-3: Central1.J3-3 R?_U_Res_Led2.1 | length 3.4
  Top Layer w0.2: R?_U_Res_Led2.1 Central1.J3-3
  Top Layer w0.254: Central1.J3-3@120.224,54.904 Central1.J3-3
NetCentral?_J3-4: Central1.J3-4 Switch1.2 | length 39.1
  Top Layer w0.254: Central1.J3-4 135.596,57.444 141.732,51.308 145.869,51.308 ccw(c145.915,52.364) 145.961,51.308 155.734,51.308 155.808,51.234 Switch1.2
NetCentral?_J3-5: Central1.J3-5 Switch1.1 | length 39.1
  Top Layer w0.254: Central1.J3-5 139.193,59.984 145.434,53.743 155.839,53.743 Switch1.1
NetCentral?_J3-6: Central1.J3-6 R?_U_Res_Led3.1 | length 3.1
  Top Layer w0.2: R?_U_Res_Led3.1 Central1.J3-6
NetCentral?_J3-8: Central1.J3-8 R?_U_Res_Led4.1 | length 3.1
  Top Layer w0.2: R?_U_Res_Led4.1 Central1.J3-8
NetCentral?_J3-9: Central1.J3-9 R?_U_Res_Led5.1 | length 3.1
  Top Layer w0.2: R?_U_Res_Led5.1 Central1.J3-9
NetCentral?_J3-11: Central1.J3-11 R?_U_Res_Led6.1 | length 3.1
  Top Layer w0.2: R?_U_Res_Led6.1 Central1.J3-11
NetCentral?_J3-12: Central1.J3-12 R?_U_Res_Led7.1 | length 3.1
  Top Layer w0.2: R?_U_Res_Led7.1 Central1.J3-12
NetCentral?_J3-13: Central1.J3-13 R?2.1 | length 30.8
  Top Layer w0.254: Central1.J3-13 143.55,80.304 144.607,81.361 146.902,81.361 147.472,80.791 150.258,80.791 R?2.1
NetCentral?_J3-14: Central1.J3-14 J_1.36 | length 143.6
  Bottom Layer w0.254: Central1.J3-14 105.45,82.844 102.489,79.883 102.489,18.034 109.855,10.668 155.376,10.668 J_1.36
NetCentral?_J3-15: Central1.J3-15 J_1.37 led-l?1.1 | length 154
  Top Layer w0.254: led-l?1.1 Central1.J3-15
  Bottom Layer w0.254: Central1.J3-15 105.323,85.384 101.64,81.701 101.64,17.613 109.093,10.16 157.158,10.16 J_1.37
NetFuse?_1: Fuse?1.1 led-buck?1.1 Switch1.5 Switch1.6 | length 63.4
  Top Layer w0.8: Switch1.6 Switch1.5 164.33,42.68 167.427,39.583 209.595,39.583 Fuse?1.1@210.185,38.993 ; Fuse?1.1 Fuse?1.1@210.185,38.993 ; led-buck?1.1 218.273,37.594 216.284,39.583 210.775,39.583 Fuse?1.1@210.185,38.993
NetJ__2: J_1.2 R?2.2 | length 66.6
  Top Layer w0.3: R?2.2 v1(155.455,80.391)
  Bottom Layer w0.2: J_1.2 150.828,23.162 148.336,25.654 148.336,73.272 v1(155.455,80.391)
NetJ__7: J_1.7 led?_U_Res_Led9.1 R?_U_Res_Led9.2 | length 57.7
  Top Layer w0.2: R?_U_Res_Led9.2 v1(155.455,67.604) led?_U_Res_Led9.1
  Bottom Layer w0.254: v1(155.455,67.604) 156.972,66.087 156.972,59.055 153.67,55.753 153.67,29.584 161.906,21.348 161.906,21.123 162.278,20.751 J_1.7
NetJ__21: J_1.21 module?1.J3-15 | length 168.9
  Top Layer w0.2: J_1.21 158.843,12.988 162.941,8.89 219.329,8.89 223.774,13.335 223.774,36.195 210.921,49.048 210.893,49.048 210.747,49.194 210.747,49.222 202.565,57.404 202.565,82.804 199.731,85.638 module?1.J3-15
NetJ__22: J_1.22 module?1.J3-14 | length 160.3
  Top Layer w0.2: J_1.22 161.133,12.476 164.084,9.525 218.821,9.525 222.758,13.462 222.758,35.687 200.914,57.531 200.914,78.486 196.302,83.098 module?1.J3-14
NetJ__28: J_1.28 module?1.J2-5 | length 65
  Top Layer w0.2: J_1.28 176.103,19.05 183.388,19.05 186.436,22.098 v1(186.436,22.733)
  Bottom Layer w0.2: v1(186.436,22.733) 186.436,27.94 209.931,51.435 212.852,51.435 213.36,51.943 213.36,58.655 module?1.J2-5
NetJ__29: J_1.29 module?1.J2-6 | length 66.7
  Bottom Layer w0.2: J_1.29 178.603,19.26 184.106,19.26 194.674,29.828 194.674,30.463 216.789,52.578 216.789,57.766 module?1.J2-6
NetJ__35: J_1.35 led?_U_Res_Led7.1 R?_U_Res_Led7.2 | length 130.4
  Top Layer w0.2: led?_U_Res_Led7.1 v1(112.653,77.764) R?_U_Res_Led7.2
  Bottom Layer w0.254: v1(112.653,77.764) 105.958,77.764 103.164,74.97 103.164,18.756 110.744,11.176 153.594,11.176 J_1.35
NetJ__39: J_1.39 R?3.2 | length 134.8
  Top Layer w0.3: R?3.2 v1(220.218,80.772)
  Bottom Layer w0.254: J_1.39 171.724,10.414 220.726,10.414 225.806,15.494 225.806,73.652 226.441,74.287 226.441,77.84 223.509,80.772 v1(220.218,80.772)
Netled-buck?_2: led-buck?1.2 R-buck?1.1 | length 4
  Top Layer w0.8: R-buck?1.1 led-buck?1.2
Netled-l?_2: led-l?1.2 R?1.2 | length 3.4
  Top Layer w0.254: R?1.2 led-l?1.2
Netled-switch?_2: led-switch?1.2 R-switch?1.2 | length 4.6
  Top Layer w0.254: led-switch?1.2 161,38.102 161,40.411 161.519,40.93 R-switch?1.2
Netmodule?_J2-7: module?1.J2-7 R?_U_Res_Led22.1 | length 4.1
  Top Layer w0.254: module?1.J2-7 R?_U_Res_Led22.1
Netmodule?_J2-8: module?1.J2-8 R?_U_Res_Led23.1 | length 4.1
  Top Layer w0.254: module?1.J2-8 R?_U_Res_Led23.1
Netmodule?_J2-9: module?1.J2-9 R?_U_Res_Led24.1 | length 4.1
  Top Layer w0.254: module?1.J2-9 R?_U_Res_Led24.1
Netmodule?_J2-10: module?1.J2-10 R?_U_Res_Led25.1 | length 4.1
  Top Layer w0.254: module?1.J2-10 R?_U_Res_Led25.1
Netmodule?_J2-11: module?1.J2-11 R?_U_Res_Led26.1 | length 4.1
  Top Layer w0.254: module?1.J2-11 215.805,75.478 R?_U_Res_Led26.1
Netmodule?_J2-12: module?1.J2-12 R?_U_Res_Led27.1 | length 4.1
  Top Layer w0.254: module?1.J2-12 R?_U_Res_Led27.1
Netmodule?_J2-15: module?1.J2-15 R?_U_Res_Led28.1 | length 4.1
  Top Layer w0.254: module?1.J2-15 R?_U_Res_Led28.1
Netmodule?_J2-19: module?1.J2-19 Switch1.3 | length 97
  Bottom Layer w0.8: Switch1.3 156.71,47.807 164.465,55.562 164.465,90.805 171.196,97.536 210.039,97.536 module?1.J2-19
Netmodule?_J3-2: module?1.J3-2 R?_U_Res_Led15.1 | length 5
  Top Layer w0.2: R?_U_Res_Led15.1 module?1.J3-2
Netmodule?_J3-3: module?1.J3-3 R?_U_Res_Led16.1 | length 5
  Top Layer w0.2: R?_U_Res_Led16.1 module?1.J3-3
Netmodule?_J3-4: module?1.J3-4 Switch1.8 | length 24
  Top Layer w0.2: Switch1.8 169.156,57.698 module?1.J3-4
Netmodule?_J3-5: module?1.J3-5 Switch1.7 | length 30.4
  Top Layer w0.2: Switch1.7 163.068,51.594 163.068,53.721 170.18,60.833 185.444,60.833 186.039,60.238 module?1.J3-5
Netmodule?_J3-6: module?1.J3-6 R?_U_Res_Led17.1 | length 5
  Top Layer w0.2: R?_U_Res_Led17.1 module?1.J3-6
Netmodule?_J3-8: module?1.J3-8 R?_U_Res_Led18.1 | length 5
  Top Layer w0.2: R?_U_Res_Led18.1 module?1.J3-8
Netmodule?_J3-9: module?1.J3-9 R?_U_Res_Led19.1 | length 5
  Top Layer w0.2: R?_U_Res_Led19.1 module?1.J3-9
Netmodule?_J3-11: module?1.J3-11 R?_U_Res_Led20.1 | length 5.1
  Top Layer w0.2: R?_U_Res_Led20.1 181.403,75.478 module?1.J3-11
Netmodule?_J3-12: module?1.J3-12 R?_U_Res_Led21.1 | length 5.1
  Top Layer w0.2: R?_U_Res_Led21.1 181.403,78.018 module?1.J3-12
Netmodule?_J3-13: module?1.J3-13 R?3.1 | length 30.6
  Top Layer w0.254: v1(206.756,80.558) 209.463,80.558 210.52,81.615 213.279,81.615 214.336,80.558 215.845,80.558 R?3.1
  Bottom Layer w0.254: module?1.J3-13 v1(206.756,80.558)
"PWM 1": J_1.15 led?_U_Res_Led18.1 R?_U_Res_Led18.2 | length 53.5
  Top Layer w0.2: led?_U_Res_Led18.1 R?_U_Res_Led18.2
  Bottom Layer w0.2: v1(176.784,67.818) 180.598,64.004 J_1.15
"PWM 2": J_1.14 led?_U_Res_Led19.1 R?_U_Res_Led19.2 | length 55.8
  Top Layer w0.2: led?_U_Res_Led19.1 R?_U_Res_Led19.2
  Bottom Layer w0.2: v1(176.784,70.358) 176.18,69.754 176.18,66.531 178.581,64.13 178.581,20.633 J_1.14
"PWM 3": J_1.13 led?_U_Res_Led20.1 R?_U_Res_Led20.2 | length 61.9
  Top Layer w0.2: led?_U_Res_Led20.1 178.626,75.478 R?_U_Res_Led20.2
  Bottom Layer w0.2: J_1.13 176.018,26.365 178.127,28.474 178.127,63.942 175.695,66.374 175.695,74.349 v1(176.784,75.438)
"PWM 4": J_1.12 led?_U_Res_Led21.1 R?_U_Res_Led21.2 | length 65.8
  Top Layer w0.2: led?_U_Res_Led21.1 178.626,78.018 R?_U_Res_Led21.2
  Bottom Layer w0.2: J_1.12 173.728,43.532 177.673,47.477 177.673,63.754 174.752,66.675 174.752,75.946 v1(176.784,77.978)
"PWM 5": J_1.27 led?_U_Res_Led15.1 R?_U_Res_Led15.2 | length 40.9
  Top Layer w0.2: led?_U_Res_Led15.1 R?_U_Res_Led15.2
  Bottom Layer w0.2: J_1.27 172.583,48.377 v1(176.784,52.578)
"PWM 6": J_1.26 led?_U_Res_Led16.1 R?_U_Res_Led16.2 | length 44.6
  Top Layer w0.2: led?_U_Res_Led16.1 R?_U_Res_Led16.2
  Bottom Layer w0.2: J_1.26 170.293,48.754 v1(176.784,55.245)
"PWM 7": J_1.25 led?_U_Res_Led17.1 R?_U_Res_Led17.2 | length 53
  Top Layer w0.2: led?_U_Res_Led17.1 R?_U_Res_Led17.2
  Bottom Layer w0.2: J_1.25 168.003,53.957 v1(176.784,62.738)
"PWM 8": J_1.6 led?_U_Res_Led10.1 R?_U_Res_Led10.2 | length 59.7
  Top Layer w0.2: R?_U_Res_Led10.2 v1(155.455,70.144) led?_U_Res_Led10.1
  Bottom Layer w0.254: v1(155.455,70.144) 151.892,66.581 151.892,28.1 159.632,20.36 J_1.6
"PWM 9": J_1.5 led?_U_Res_Led11.1 R?_U_Res_Led11.2 | length 61.7
  Top Layer w0.2: R?_U_Res_Led11.2 v1(155.455,72.684) led?_U_Res_Led11.1
  Bottom Layer w0.254: v1(155.455,72.684) 151.13,68.359 151.13,26.928 J_1.5
"PWM 10": J_1.20 led?_U_Res_Led2.1 R?_U_Res_Led2.2 | length 94.3
  Top Layer w0.2: led?_U_Res_Led2.1 v1(112.653,54.904) R?_U_Res_Led2.2
  Bottom Layer w0.254: v1(112.653,54.904) 111.165,54.904 107.442,51.181 107.442,20.32 112.776,14.986 145.003,14.986 146.606,16.589 155.322,16.589 J_1.20
"PWM 11": J_1.4 led?_U_Res_Led12.1 R?_U_Res_Led12.2 | length 64.3
  Top Layer w0.2: R?_U_Res_Led12.2@152.836,75.224 152.876,75.184 v1(155.455,75.184) 157.86,75.184 led?_U_Res_Led12.1
  Bottom Layer w0.254: J_1.4 155.342,20.426 155.342,21.442 150.114,26.67 150.114,69.843 v1(155.455,75.184)
"PWM 12": J_1.19 led?_U_Res_Led1.1 R?_U_Res_Led1.2 | length 84.3
  Top Layer w0.2: led?_U_Res_Led1.1 111.383,52.364 ; v1(112.653,52.364) R?_U_Res_Led1.2
  Top Layer w0.254: v1(112.653,52.364) 111.383,52.364 111.383,17.268 113.637,15.014 143.03,15.014 144.605,16.589 153.032,16.589 J_1.19
"PWM 13": J_1.3 led?_U_Res_Led13.1 R?_U_Res_Led13.2 | length 66.5
  Top Layer w0.2: R?_U_Res_Led13.2 v1(155.455,77.764) led?_U_Res_Led13.1
  Bottom Layer w0.254: J_1.3 153.118,22.396 149.225,26.289 149.225,71.534 v1(155.455,77.764)
pads on no net: Central1.J2-1 Central1.J2-2 Central1.J2-3 Central1.J2-4 Central1.J2-13 Central1.J2-16 Central1.J2-17 Central1.J2-18 Central1.J3-10 Central1.J3-16 Central1.J3-17 Central1.J3-18 Central1.J3-19 J_1.10 J_1.11 J_1.45 J_1.46 module?1.J2-1 module?1.J2-2 module?1.J2-3 module?1.J2-4 module?1.J2-13 module?1.J2-16 module?1.J2-17 module?1.J2-18 module?1.J3-10 module?1.J3-16 module?1.J3-17 module?1.J3-18 module?1.J3-19
copper on no net: | length 0.1
  Top Layer w0.3: 120.443,87.996 120.515,87.924

## Polygon pours and split planes (outlines as drawn)
GND on Top Layer "GND_L01_P000" (solid, remove dead copper, pour order 0): 101.5,99.5 101.5,7.5 229.5,7.5 229.5,99.5

## Other copper
Top Layer:
  pour cut-out: 226,100 226,99.5 cw(c226,96) 229.5,96 230,96 230,99.96 229.96,100
  pour cut-out: 230,11 229.5,11 cw(c226,11) 226,7.5 226,7 229.96,7 230,7.04
  pour cut-out: 105,7 105,7.5 cw(c105,11) 101.5,11 101,11 101,7.04 101.04,7
  pour cut-out: 101,96 101.5,96 cw(c105,96) 105,99.5 105,100 101.04,100 101,99.96
  pour cut-out: 146.685,21.717 146.685,14.478 181.737,14.478 181.737,22.098 168.91,22.098 168.91,16.86 163.703,16.86 163.703,21.717
Bottom Layer:
  rectangle: 92.583,116.713 92.71,116.967

## Silkscreen, mask and mechanical layers (free items; w line width, h text height)
Top Overlay:
  text "5v" at 147.92,95.136 h0.8
  text "Central ESP" at 125.73,91.313 h1.52
  text "Module ESP" at 192.405,91.313 h1.52
  text "rx" at 117.829,85.19 h1
  text "DIR-G" at 226.287,85.19 h0.6
  text "DIR5" at 162.914,85.063 h0.6
  text "tx" at 117.829,82.015 h1
  text "IN-A" at 221.207,80.872 h0.6
  text "IN-1" at 155.802,80.11 h0.6
  text "PWM-D" at 167.232,77.824 h0.6
  text "DIR-F" at 226.287,77.697 h0.6
  text "PWM7" at 103.478,77.57 h0.6
  text "PWM6" at 162.914,77.57 h0.6
  text "PWM-C" at 167.359,75.284 h0.6
  text "DIR-E" at 226.287,75.03 h0.6
  text "DIR1" at 103.605,74.903 h0.6
  text "PWM4" at 162.66,74.522 h0.6
  text "(wheel1)" at 102.589,73.76 h0.6
  text "PWM2" at 162.787,72.871 h0.6
  text "DIR-D" at 226.287,72.363 h0.6
  text "(wheel2)" at 162.152,71.982 h0.6
  text "DIR2" at 103.478,70.458 h0.6
  text "PWM-B" at 167.232,70.204 h0.6
  text "PWM1" at 162.66,70.077 h0.6
  text "DIR-C" at 226.287,69.823 h0.6
  text "(wheel2)" at 102.843,69.442 h0.5
  text "(wheel1)" at 162.152,69.315 h0.6
  text "PWM-A" at 167.232,67.537 h0.6
  text "DIR-B" at 226.287,67.41 h0.6
  text "PWM7" at 162.66,67.283 h0.6
  text "DIR3" at 103.351,66.775 h0.6
  text "DIR-A" at 226.287,64.743 h0.6
  text "DIR6" at 162.66,64.616 h0.6
  text "PWM-G" at 167.232,62.584 h0.6
  text "DIR4" at 103.351,62.076 h0.6
  text "PWM-F" at 167.232,54.837 h0.6
  text "PWM3" at 103.351,54.583 h0.6
  text "RX" at 154.053,52.235 h1
  text "PWM-E" at 167.232,52.17 h0.6
  text "PWM5" at 103.351,52.043 h0.6
  text "TX" at 154.18,49.949 h1
  text "|____|" at 152.125,48.287 h0.8 r270
  text "Module" at 152.627,47.471 h0.55
  text "PWR" at 149.063,46.876 h1
  text "ON" at 149.444,45.098 h1
  text "Central" at 152.5,45.058 h0.55
  text "PWR" at 217.27,37.819 h0.8
Bottom Overlay:
  drawing of 53 lines, arcs and shapes, not listed
  text "Schematics" at 125.869,15.99 h1